# Altium PCB PA_8CH_CTRL.PcbDoc (part 7 of 11) (continued)
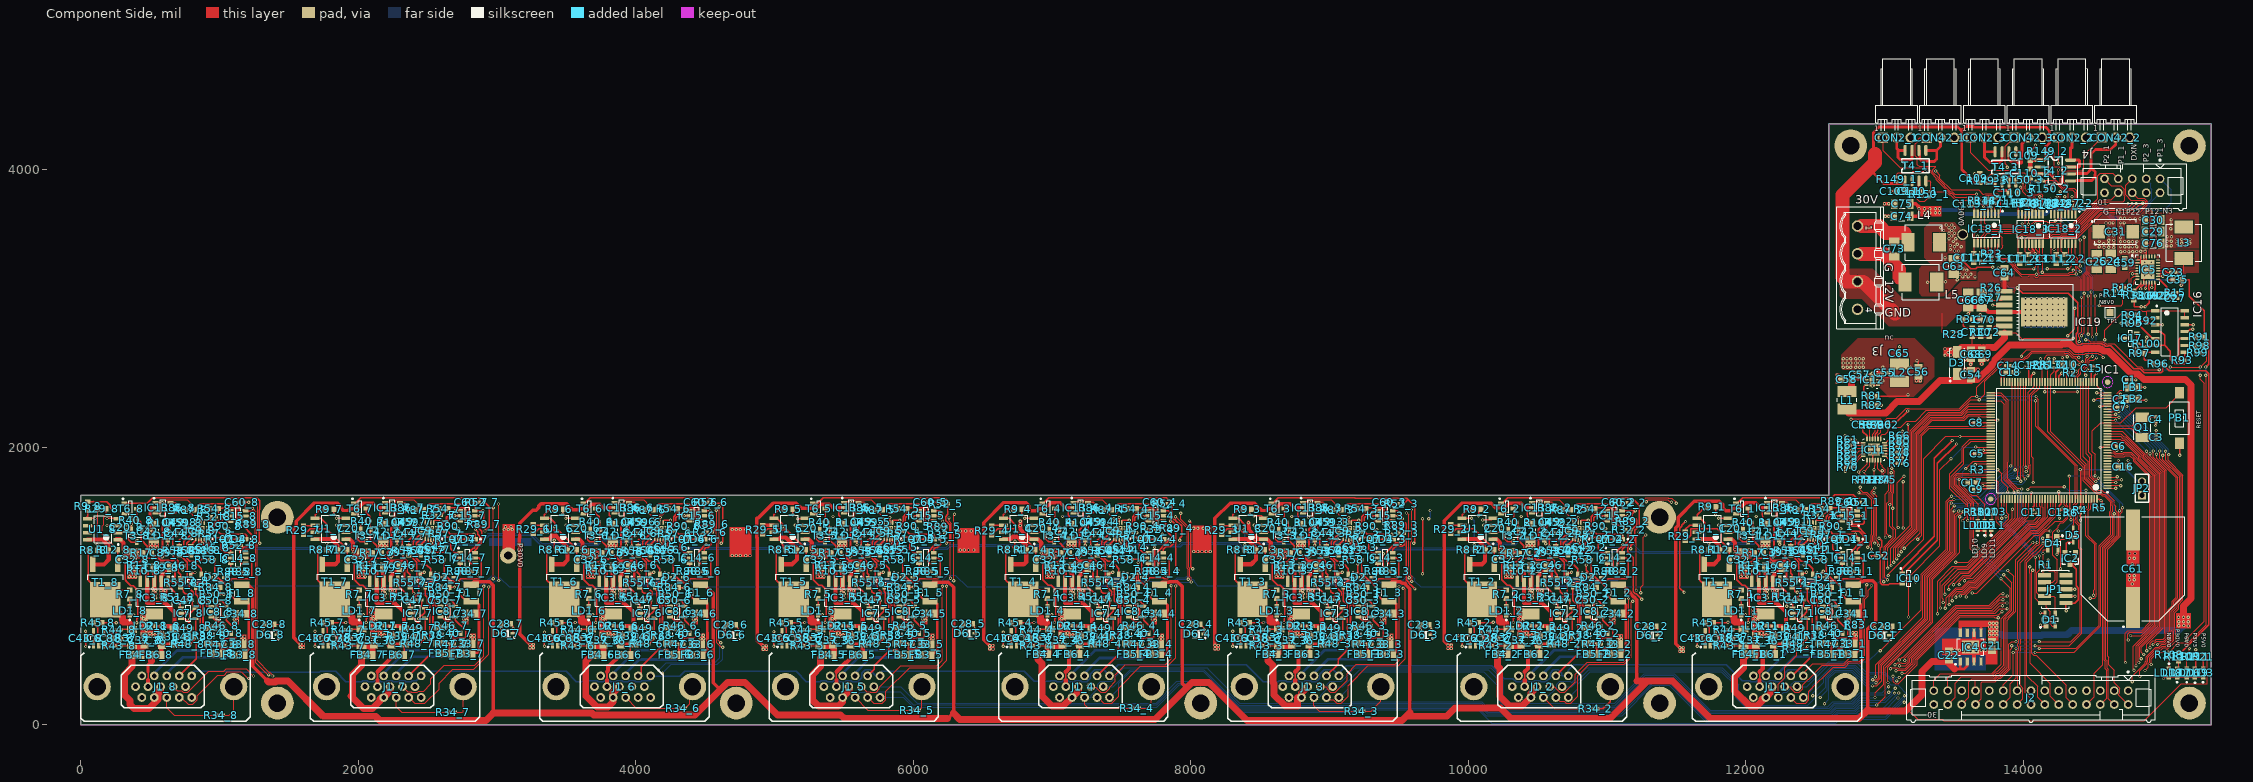
[diagram p0: Component Side view]
## Nets (pads, with @x,y where several pads share a name; then routed paths per layer and width w, separated by ;. In a path a pad name is that pad's centre, name@x,y a point inside that pad or via, vN(x,y) a via of type N, cw(c..) or ccw(c..) an arc to the next point about the centre after c; other vN are vias at no path point) (continued)
  Signal Layer 1 w6: v1(13543,2078.53) 13589.73,2078.53 13989,2477.8 13989,2654.67 v1(13986.19,2657.47)
  Solder Side w6: v1(899,1066) 916,1049 982.8,1049 986.8,1045 1049.57,1045 1056.38,1051.81 1073.62,1051.81 1121.49,1003.94 2163.91,1003.94 2181.16,1003.95 ; 2181.18,1003.94 2231.94,1003.94 2281.15,1053.15 2305.72,1053.15 2321.38,1068.81 2338.62,1068.81 2354.28,1053.15 2400.12,1053.15 2402.92,1055.95 2420.16,1055.95 2422.97,1053.15 2533.15,1053.15 v1(2552,1072) 2570.85,1053.15 2736.22,1053.15 2785.43,1003.94 2878.51,1003.94 2895.38,1020.81 2907.84,1020.81 2948.03,1061 2951.19,1061 2951.19,1061.62 2963.38,1073.81 2980.62,1073.81 2992.81,1061.62 2992.81,1059.19 3001.76,1059.19 3003.38,1060.81 3020.62,1060.81 3087.34,994.09 3807.61,994.09 3817.47,1003.95 3834.71,1003.95 3844.56,994.09 3892.09,994.09 3959,1061 3972.57,1061 3980.38,1068.81 3997.62,1068.81 4013.28,1053.15 4053.66,1053.15 4056.47,1055.95 4073.71,1055.95 4076.51,1053.15 4201.15,1053.15 v1(4209,1061) 4219.86,1050.14 4289.89,1050.14 4293.89,1046.14 4356.66,1046.14 4363.47,1052.95 4380.71,1052.95 4392.9,1040.76 4392.9,1030.33 4429.13,994.09 5461.15,994.09 5471.01,1003.95 5488.25,1003.95 5562.51,1003.94 5632.38,1073.81 5649.62,1073.81 5670.28,1053.15 5707.21,1053.15 5710.01,1055.95 5727.25,1055.95 5730.05,1053.15 5849.15,1053.15 v1(5863,1067) 5879.86,1050.14 5943.43,1050.14 5947.43,1046.14 6010.2,1046.14 6017.01,1052.95 6034.25,1052.95 6046.44,1040.76 6046.44,1030.33 6072.83,1003.94 6171.26,1003.94 6245.13,1077.81 6304.08,1077.81 6387.8,994.09 7114.69,994.09 7124.55,1003.95 7141.79,1003.95 7151.65,994.09 7210.66,994.09 7286.38,1069.81 7303.62,1069.81 7308.43,1065 v1(7513,1065) 7527.86,1050.14 7596.97,1050.14 7600.97,1046.14 7663.74,1046.14 7670.55,1052.95 7687.79,1052.95 7699.98,1040.76 7699.98,1040.17 7706.69,1033.46 7872.49,1033.46 7901.03,1062 7963.57,1062 7972.38,1070.81 7989.62,1070.81 8001.81,1058.62 8001.81,1053.31 8004.31,1050.81 8012.62,1050.81 8024.81,1038.62 8024.81,1030.31 8051.18,1003.94 8778.08,1003.94 8795.34,1003.95 8878.51,1003.94 8941.38,1066.81 8958.62,1066.81 8972.28,1053.15 9014.29,1053.15 9017.1,1055.95 9034.34,1055.95 9037.14,1053.15 9154.15,1053.15 v1(9168,1067) 9184.86,1050.14 9250.52,1050.14 9254.52,1046.14 9317.29,1046.14 9324.1,1052.95 9341.34,1052.95 9380.51,1013.78 9485.35,1013.78 9492.38,1020.81 9508.38,1020.81 9554.19,1066.62 9554.19,1068.62 9566.38,1080.81 9583.62,1080.81 9612.81,1051.62 9612.81,1036.8 9655.51,994.09 10421.78,994.09 10431.64,1003.95 10448.88,1003.95 10505.94,1003.94 10580.81,1078.81 10614.1,1078.81 10639.76,1053.15 10665.72,1053.15 10670.38,1057.81 10687.62,1057.81 10692.28,1053.15 10741.14,1053.15 10750.98,1062.99 10805.33,1062.99 v1(10820.67,1078.33) 10848.86,1050.14 10904.06,1050.14 10908.06,1046.14 10970.83,1046.14 10977.64,1052.95 10994.88,1052.95 11004.53,1043.31 11073.26,1043.31 11122.47,994.09 12114.69,994.09 12124.55,1003.95 12141.79,1003.95 12151.65,994.09 12191.09,994.09 12240.31,1043.31 12255.88,1043.31 12285.38,1072.81 12302.62,1072.81 12314.81,1060.62 12314.81,1054.52 12326.03,1043.31 12348.88,1043.31 12350.86,1045.29 12350.86,1047.72 12363.05,1059.91 12383.04,1059.91 12392.81,1050.14 12490.14,1050.14 v1(12514,1074) 12537.86,1050.14 12596.97,1050.14 12600.97,1046.14 12663.74,1046.14 12670.55,1052.95 12687.79,1052.95 12717.12,1023.62 12856.19,1023.62 12862.38,1029.81 12879.62,1029.81 12885.81,1023.62 12896.19,1023.62 12897.38,1024.81 12914.62,1024.81 12915.81,1023.62 12955.19,1023.62 12984.38,1052.81 12998.38,1052.81 13014,1068.43 13014,1074 ; v1(14576.77,2647.64) 14576.77,2687.01 14586.61,2696.85 v2(14586.61,2775.59)
NetD2_1_2: D2_1.2 IC14_1.3 R88_1.1 | length 133.7
  Component Side w10: D2_1.2@12651.5,1063.35 12674.38,1063.35 12694.8,1083.77 IC14_1.3@12694.8,1165.74
NetD2_2_2: D2_2.2 IC14_2.3 R88_2.1 | length 133.7
  Component Side w10: D2_2.2@10958.58,1063.35 10981.46,1063.35 11001.89,1083.77 IC14_2.3@11001.89,1165.74
NetD2_3_2: D2_3.2 IC14_3.3 R88_3.1 | length 133.7
  Component Side w10: D2_3.2@9305.04,1063.35 9327.92,1063.35 9348.35,1083.77 IC14_3.3@9348.35,1165.74
NetD2_4_2: D2_4.2 IC14_4.3 R88_4.1 | length 133.7
  Component Side w10: D2_4.2@7651.5,1063.35 7674.38,1063.35 7694.8,1083.77 IC14_4.3@7694.8,1165.74
NetD2_5_2: D2_5.2 IC14_5.3 R88_5.1 | length 133.7
  Component Side w10: D2_5.2@5997.95,1063.35 6020.83,1063.35 6041.26,1083.77 IC14_5.3@6041.26,1165.74
NetD2_6_2: D2_6.2 IC14_6.3 R88_6.1 | length 133.7
  Component Side w10: D2_6.2@4344.41,1063.35 4367.29,1063.35 4387.72,1083.77 IC14_6.3@4387.72,1165.74
NetD2_7_2: D2_7.2 IC14_7.3 R88_7.1 | length 133.7
  Component Side w10: D2_7.2@2690.87,1063.35 2713.75,1063.35 2734.17,1083.77 IC14_7.3@2734.17,1165.74
NetD2_8_2: D2_8.2 IC14_8.3 R88_8.1 | length 133.7
  Component Side w10: D2_8.2@1037.32,1062.2 1060.2,1062.2 1080.63,1082.63 IC14_8.3@1080.63,1164.6
NetD5_1: D5.1 IC2.2 | length 122.4
  Component Side w10: IC2.2@14304,1242 14311.02,1249.02 14311.02,1309.06 14318.9,1316.93 D5.1@14360.24,1316.93
NetFB3_1_2: FB3_1.2 J1_1.13 | length 559.5
  Component Side w20: v1(12670,510) FB3_1.2@12709.57,510
  Solder Side w20: J1_1.13@12214.88,353.54 12352.34,491 12651,491 v1(12670,510)
NetFB3_2_2: FB3_2.2 J1_2.13 | length 567.4
  Component Side w10: v1(10985,510) FB3_2.2@11024.57,510
  Solder Side w20: J1_2.13@10521.97,353.54 10659.43,491 10966,491 v1(10985,510)
NetFB3_3_2: FB3_3.2 J1_3.13 | length 585.9
  Component Side w20: v1(9345,510) FB3_3.2@9389.57,510
  Solder Side w20: J1_3.13@8868.43,353.54 8987.88,473 9308,473 v1(9345,510)
NetFB3_4_2: FB3_4.2 J1_4.13 | length 564.5
  Component Side w20: v1(7670,500) 7680,510 FB3_4.2@7714.57,510
  Solder Side w20: J1_4.13@7214.88,353.54 7343.34,482 7652,482 v1(7670,500)
NetFB3_5_2: FB3_5.2 J1_5.13 | length 561
  Component Side w20: v1(6020,495) 6030,505 FB3_5.2@6059.57,505
  Solder Side w20: J1_5.13@5561.34,353.54 5692.8,485 6010,485 v1(6020,495)
NetFB3_6_2: FB3_6.2 J1_6.13 | length 564.5
  Component Side w20: v1(4365,490) 4380,505 FB3_6.2@4409.57,505
  Solder Side w20: J1_6.13@3907.8,353.54 4025.25,471 4346,471 v1(4365,490)
NetFB3_7_2: FB3_7.2 J1_7.13 | length 558
  Component Side w20: v1(2709,491) 2735.57,491 FB3_7.2@2749.57,505
  Solder Side w20: J1_7.13@2254.25,353.54 2391.71,491 v1(2709,491)
NetFB3_8_2: FB3_8.2 J1_8.13 | length 572.1
  Component Side w20: v1(1070,505) FB3_8.2@1109.57,505
  Solder Side w20: J1_8.13@600.71,352.4 735.31,487 1052,487 v1(1070,505)
NetFB4_1_1: FB4_1.1 J1_1.2 J1_1.8 | length 692.7
  Component Side w50: FB4_1.1@12004.57,500 11984.17,479.61 11984.17,409.37 11919.29,344.49 11919.29,244.22 12028.37,135.14 12080.14,135.14 12116.75,171.75 12116.75,187.01 12133.62,187.01 J1_1.2@12144.25,197.64 12189.33,242.72 J1_1.8@12189.33,275.59
NetFB4_2_1: FB4_2.1 J1_2.2 J1_2.8 | length 687.4
  Component Side w50: FB4_2.1@10209.57,510 10209.57,425.43 10226.38,408.62 10226.38,206.69 10297.93,135.14 10387.23,135.14 10449.72,197.64 J1_2.2@10451.34,197.64 10451.34,230.51 J1_2.8@10496.42,275.59
NetFB4_3_1: FB4_3.1 J1_3.2 J1_3.8 | length 702.6
  Component Side w50: FB4_3.1@8554.57,510 8554.57,465.43 8592.52,427.48 8592.52,305.12 8600.38,297.26 8600.38,216.67 8681.91,135.14 8770.29,135.14 8770.29,197.64 J1_3.2@8797.8,197.64 8797.8,230.51 J1_3.8@8842.87,275.59
NetFB4_4_1: FB4_4.1 J1_4.2 J1_4.8 | length 682.8
  Component Side w50: FB4_4.1@6899.57,510 6899.57,470.43 6929.13,440.87 6929.13,206.69 7000.68,135.14 7080.14,135.14 7142.63,197.64 J1_4.2@7144.25,197.64 7189.33,242.72 J1_4.8@7189.33,275.59
NetFB4_5_1: FB4_5.1 J1_5.2 J1_5.8 | length 734.2
  Component Side w50: FB4_5.1@5354.57,505 5330.63,481.06 5330.63,419.21 5275.59,364.17 5275.59,177.17 5317.61,135.14 5459.95,135.14 5490.71,165.91 J1_5.2@5490.71,197.64 5535.79,242.72 J1_5.8@5535.79,275.59
NetFB4_6_1: FB4_6.1 J1_6.2 J1_6.8 | length 764.2
  Component Side w50: FB4_6.1@3677.09,497.95 3639.75,460.61 3639.75,208.68 3720.47,127.95 3799.21,127.95 3837.17,165.91 J1_6.2@3837.17,197.64 3837.17,230.51 ; 3837.17,230.51 3837.17,232.13 3854.74,249.7 3854.74,275.05 3869.68,275.05 3876.23,281.6 J1_6.8@3882.24,275.59 3837.17,230.51
NetFB4_7_1: FB4_7.1 J1_7.2 J1_7.8 | length 742.1
  Component Side w50: FB4_7.1@2029.57,505 2023.54,498.98 2023.54,429.06 1958.66,364.17 1958.66,216.54 1948.82,206.69 2037.4,118.11 2102.48,118.11 2156.12,171.75 2156.12,187.61 2166.14,197.64 J1_7.2@2183.62,197.64 2228.7,242.72 J1_7.8@2228.7,275.59
NetFB4_8_1: FB4_8.1 J1_8.2 J1_8.8 | length 812.9
  Component Side w50: FB4_8.1@364.57,505 370,499.57 370,419.21 314.96,364.17 314.96,216.54 354.33,177.17 354.33,147.64 383.86,118.11 492.13,118.11 557.58,183.57 557.58,224 ; J1_8.2@530.08,196.5 557.58,224 ; J1_8.8@575.16,274.45 575.16,241.58 ; 557.58,224 573.54,239.96 ; 557.58,224 557.58,239.96 573.54,239.96 ; 573.54,239.96 574.02,239.96 575.16,241.1 575.16,241.58 ; 573.54,239.96 575.16,241.58
NetFB5_1_2: FB5_1.2 J1_1.12 | length 522.2
  Component Side w10: v1(12520.17,537.14) 12527.86,537.14 12554.57,510.43 FB5_1.2@12554.57,510 FB5_1.2@12554.57,505
  Solder Side w20: J1_1.12@12124.88,353.54 12308.48,537.14 v1(12520.17,537.14)
NetFB5_2_2: FB5_2.2 J1_2.12 | length 528.9
  Component Side w10: v1(10827.26,537.14) 10852.86,537.14 10864.57,525.43 FB5_2.2@10864.57,510
  Solder Side w20: J1_2.12@10431.97,353.54 10615.57,537.14 v1(10827.26,537.14)
NetFB5_3_2: FB5_3.2 J1_3.12 | length 526.6
  Component Side w20: v1(9173.72,537.14) 9192.86,537.14 9214.57,515.43 FB5_3.2@9214.57,510
  Solder Side w20: J1_3.12@8778.43,353.54 8962.03,537.14 v1(9173.72,537.14)
NetFB5_4_2: FB5_4.2 J1_4.12 | length 517
  Component Side w20: v1(7520.17,537.14) 7527.43,537.14 FB5_4.2@7554.57,510
  Solder Side w20: J1_4.12@7124.88,353.54 7308.48,537.14 v1(7520.17,537.14)
NetFB5_5_2: FB5_5.2 J1_5.12 | length 525.8
  Component Side w30: v1(5866.63,537.14) 5877.86,537.14 5904.57,510.43 FB5_5.2@5904.57,505
  Solder Side w20: J1_5.12@5471.34,353.54 5654.94,537.14 v1(5866.63,537.14)
NetFB5_6_2: FB5_6.2 J1_6.12 | length 524.3
  Component Side w30: v1(4213.09,537.14) 4222.86,537.14 4249.57,510.43 FB5_6.2@4249.57,505
  Solder Side w20: J1_6.12@3817.8,353.54 4001.4,537.14 v1(4213.09,537.14)
NetFB5_7_2: FB5_7.2 J1_7.12 | length 515.5
  Component Side w10: v1(2559.54,537.14) 2572.43,537.14 FB5_7.2@2594.57,515
  Solder Side w20: J1_7.12@2164.25,353.54 2347.85,537.14 v1(2559.54,537.14)
NetFB5_8_2: FB5_8.2 J1_8.12 | length 529.7
  Component Side w20: v1(906,536) 939,536 949.57,525.43 FB5_8.2@949.57,515
  Solder Side w20: J1_8.12@510.71,352.4 694.31,536 v1(906,536)
NetFB6_1_1: FB6_1.1 J1_1.7 | length 251.1
  Component Side w12: 12099.25,382.78 12099.25,324.3 12099.33,324.22
  Component Side w30: 12099.25,382.78 12122.51,406.04 12122.51,492.94 FB6_1.1@12139.57,510 ; J1_1.7@12099.33,275.59 12099.33,324.22
NetFB6_2_1: FB6_2.1 J1_2.7 | length 248.2
  Component Side w12: 10406.34,324.3 10406.34,382.78
  Component Side w30: 10406.34,324.3 10406.42,324.22 J1_2.7@10406.42,275.59 ; 10406.34,382.78 10429.59,406.04 10429.59,500.03 FB6_2.1@10439.57,510
NetFB6_3_1: FB6_3.1 J1_3.7 | length 247.6
  Component Side w12: 8752.8,324.3 8752.8,382.78
  Component Side w30: 8752.8,324.3 8752.87,324.22 J1_3.7@8752.87,275.59 ; 8752.8,382.78 8776.05,406.04 8776.05,501.48 FB6_3.1@8784.57,510
NetFB6_4_1: FB6_4.1 J1_4.7 | length 244.9
  Component Side w12: 7099.25,324.3 7099.25,382.78
  Component Side w30: 7099.25,324.3 7099.33,324.22 J1_4.7@7099.33,275.59 ; 7099.25,382.78 7122.51,406.04 7122.51,507.94 FB6_4.1@7124.57,510
NetFB6_5_1: FB6_5.1 J1_5.7 | length 286.7
  Component Side w12: 5445.71,324.3 5445.71,382.78
  Component Side w30: 5445.71,324.3 5445.79,324.22 J1_5.7@5445.79,275.59 ; 5445.71,382.78 5511.81,448.89 5518.45,448.89 FB6_5.1@5574.57,505
NetFB6_6_1: FB6_6.1 J1_6.7 | length 275.1
  Component Side w10: FB6_6.1@3889.57,504.57 FB6_6.1@3889.57,505
  Component Side w12: 3792.17,324.3 3792.17,382.78
  Component Side w30: 3792.17,324.3 3792.24,324.22 J1_6.7@3792.24,275.59 ; 3792.17,382.78 3799.21,389.83 3799.21,423.23 3808.23,423.23 FB6_6.1@3889.57,504.57
NetFB6_7_1: FB6_7.1 J1_7.7 | length 251.4
  Component Side w12: 2138.62,324.3 2138.62,382.78
  Component Side w30: 2138.62,324.3 2138.7,324.22 J1_7.7@2138.7,275.59 ; 2138.62,382.78 FB6_7.1@2240.54,484.7
NetFB6_8_1: FB6_8.1 J1_8.7 | length 289.5
  Component Side w10: 485.08,323.16 485.08,381.64
  Component Side w12: 485.08,323.16 485.08,274.53 J1_8.7@485.16,274.45
  Component Side w20: 485.08,381.64 485.08,435.08 509.57,459.57
  Component Side w30: 485.08,323.16 485.16,323.08 J1_8.7@485.16,275.59 J1_8.7@485.16,274.45
  Component Side w50: 509.57,459.57 FB6_8.1@509.57,505
NetIC1_40: IC1.40 J2.2 | length 2568.9
  Component Side w6: IC1.40@14471.43,2470.26 14471.43,1964.57 14493,1943 14493,1790.57 14508.38,1775.19 14539.19,1775.19 v1(14542,1778) ; v1(14715,1565) 14707.72,1557.72 14713.81,1551.62 14713.81,1534.38 14699.81,1520.38 14699.81,1357.96 14607,1265.15 14607,493.09 14615,485.09 14615,435 14655,395 14655,304.24 14695.62,263.62 14695.62,230.07 14683.75,218.21 J2.2@14755.12,146.85
  Solder Side w6: v1(14542,1778) 14542,1764.4 14715,1591.4 v1(14715,1565)
NetIC1_41: IC1.41 J2.4 | length 2502.2
  Component Side w6: IC1.41@14451.75,2470.26 14451.75,1952.25 14478.81,1925.19 14478.81,1787.79 14512.6,1754 v1(14521,1754) ; J2.4@14655.12,146.85 14612,189.97 14612,400 14603,409 14603,461.06 14595,469.06 14595,1270.12 14687.81,1362.93 14687.81,1537.81 v1(14693,1543)
  Solder Side w6: v1(14521,1754) 14529.19,1745.81 14543.62,1745.81 14693,1596.43 v1(14693,1543)
NetIC1_42: IC1.42 J2.8 | length 2507
  Component Side w6: IC1.42@14432.06,2470.26 14432.06,1931.94 14466.81,1897.19 14466.81,1778.76 14520.57,1725 v1(14535,1725) ; J2.8@14455.12,146.85 14510,201.73 14510,371 14571,432 14571,1280.06 14655,1364.06 v1(14655,1522)
  Solder Side w6: v1(14535,1725) 14655,1605 v1(14655,1522)
NetIC1_43: IC1.43 J2.6 | length 2519.7
  Component Side w6: IC1.43@14412.38,2470.26 14412.38,1919.62 14454.81,1877.19 14454.81,1773.79 14538.33,1690.27 14563.67,1690.27 14578.56,1675.38 14592.68,1675.38 14654,1614.06 14654,1586.33 14664.81,1575.52 14664.81,1541.76 14675.81,1530.76 14675.81,1367.9 14583,1275.09 14583,464.09 14591,456.09 14591,404.03 14600,395.03 14600,191.73 J2.6@14555.12,146.85
NetIC1_48: IC1.48 R2.2 | length 70
  Component Side w6: IC1.48@14313.95,2470.26 14313.95,2532.46 R2.2@14319.5,2538
NetIC1_73: IC1.73 J2.14 | length 2590.1
  Component Side w6: IC1.73@13764.74,2393.49 13838.51,2393.49 13891,2341 13891,1896 13888.19,1893.19 13888.19,1772.81 13956,1705 13984,1705 v1(13989,1700) ; v1(14140,1346) 14140,1341.43 14162.81,1318.62 14162.81,1301.38 14088.24,1226.81 14078.38,1226.81 14025.19,1173.62 14025.19,354.81 14103,277 14103,198.97 J2.14@14155.12,146.85
  Solder Side w6: v1(13989,1700) 13989,1497 v1(14140,1346)
NetIC1_74: IC1.74 J2.16 | length 2497.6
  Component Side w6: IC1.74@13764.74,2373.8 13836.2,2373.8 13876.19,2333.81 13876.19,1767.84 13943,1701.03 13943,1700 13959,1684 v1(13962,1684) ; J2.16@14055.12,146.85 14055.12,189.58 14013.19,231.51 14013.19,1181.19 v1(14142,1310)
  Solder Side w6: v1(13962,1684) 13976,1670 13976,1480.57 14142,1314.57 v1(14142,1310)
NetIC1_76: IC1.76 J2.17 | length 2336.7
  Component Side w6: IC1.76@13764.74,2334.43 13836.57,2334.43 13861,2310 13861,1765 13932,1694 v1@13932,1678 ; J2.17@13955.12,246.85 13961,252.73 13961,535.9 13967.66,542.56 13967.66,559.8 13961,566.46 13961,585.14 13967.63,591.77 13967.63,609.01 13961,615.65 13961,1176 v1(14099,1314)
  Solder Side w6: v1(13932,1676) 13964,1644 13964,1475.6 14095,1344.6 14095,1318 v1(14099,1314)
NetIC1_90: IC1.90 J2.10 | length 2611.7
  Component Side w6: v1(13562,1473) 13587.81,1498.81 13587.81,1585.19 13470.19,1702.81 13470.19,1715.53 13470.05,1715.53 13470,1715.58 13470,1810 13560,1900 13560,2005 13613.84,2058.84 IC1.90@13764.74,2058.84 ; v1(14067,1114) 14061,1108 14061,515.87 14076.03,500.84 14094.16,500.84 14308,287 14308,193.97 J2.10@14355.12,146.85
  Signal Layer 1 w6: v1(13562,1473) 13921,1114 v1(14067,1114)
NetIC1_91: IC1.91 J2.12 | length 2498.3
  Component Side w6: v1(13599,1473) 13600.7,1473 13600.7,1597.02 13482.19,1715.53 13482.19,1792.53 13572,1882.34 13572,1992 13623,2043 13760.9,2043 IC1.91@13764.74,2039.16 ; v1(14046,1139) 14046,1093 14048,1091 14048,443 14195.62,295.38 14195.62,206.35 J2.12@14255.12,146.85
  Signal Layer 1 w6: v1(13599,1473) 13599,1452.97 13912.97,1139 v1(14046,1139)
NetIC1_101: IC1.101 R3.1 | length 78.4
  Component Side w6: R3.1@13688.5,1837 13693.81,1842.31 IC1.101@13764.74,1842.31
NetIC1_102: IC1.102 J2.29 | length 2448.1
  Component Side w6: J2.29@13355.12,246.85 13355.12,323.12 13401.54,369.54 13771.54,369.54 13839.81,437.81 13839.81,764.15 13890.85,815.19 13891.62,815.19 13905.81,829.38 13905.81,985.92 v1(13838.58,1053.15) ; v1(13641,1246) 13628.81,1258.19 13628.38,1258.19 13616.19,1270.38 13616.19,1458.76 13619.81,1462.38 13619.81,1594.88 13494.19,1720.5 13494.19,1787.56 13520.44,1813.81 13557.56,1813.81 13558.18,1813.19 13701.04,1813.19 13710.48,1822.62 IC1.102@13764.74,1822.62
  Solder Side w6: v1(13641,1246) 13833.85,1053.15 v1(13838.58,1053.15)
NetIC1_103: IC1.103 J2.27 | length 2363.2
  Component Side w6: J2.27@13455.12,246.85 13455.12,339.12 13473.54,357.54 13776.51,357.54 13801.97,383 13811,383 13858.27,430.27 13858.27,765.64 13895.82,803.19 13896.59,803.19 13917.81,824.41 13917.81,1023.13 v1(13858.27,1082.68) ; v1(13637,1279) 13632.25,1283.75 13632.25,1599.41 13506.19,1725.47 13506.19,1782.59 13525.41,1801.81 13552.59,1801.81 13553.21,1801.19 13762.99,1801.19 IC1.103@13764.74,1802.94
  Solder Side w6: v1(13637,1279) 13637.43,1279 13833.75,1082.68 v1(13858.27,1082.68)
NetIC1_104: IC1.104 J2.28 | length 2427.2
  Component Side w6: J2.28@13455.12,146.85 13508,199.73 13508,301 13552.54,345.54 13781.48,345.54 13806.94,371 13822,371 13870.27,419.27 13870.27,760.67 13900.79,791.19 13901.56,791.19 13929.81,819.44 13929.81,1070.16 v1(13887.77,1112.2) ; v1(13674,1272) 13644.25,1301.75 13644.25,1604.38 13518.19,1730.44 13518.19,1777.62 13530.38,1789.81 13547.62,1789.81 13553.62,1783.81 13764.18,1783.81 IC1.104@13764.74,1783.25
  Solder Side w6: v1(13674,1272) 13833.8,1112.2 v1(13887.77,1112.2)
NetIC1_138: IC1.138 JP2.2 R4.1 | length 734.7
  Component Side w10: R4.1@14409.47,1564.73 14412.38,1567.63 IC1.138@14412.38,1627.74 14412.38,1837.62 v1(14410,1840)
  Solder Side w10: v1(14410,1840) 14740,1840 JP2.2@14830,1750
NetIC1_139: IC1.139 J2.18 | length 1794.6
  Component Side w6: J2.18@13955.12,146.85 13995.62,187.34 13995.62,265.24 13976,284.85 13976,533.93 13979.66,537.59 13979.66,564.77 13976,568.43 13976,583.17 13979.63,586.8 13979.63,613.98 13976,617.62 13976,1168 14101.19,1293.19 14107.62,1293.19 14119.81,1305.38 14119.81,1336.76 14119.19,1337.38 14119.19,1354.62 14162.2,1397.63 v1(14192.88,1397.63) ; IC1.139@14432.06,1627.74 14432.06,1585.94 v1(14448,1570)
  Signal Layer 1 w6: v1(14192.88,1397.63) v1(14251.94,1397.63)
  Solder Side w6: v1(14251.94,1397.63) 14291.07,1397.63 14391.19,1497.76 14391.19,1513.62 14403.38,1525.81 14404.92,1525.81 14448,1568.89 v1(14448,1570)
NetIC1_143: IC1.143 R5.2 | length 81
  Component Side w6: IC1.143@14510.8,1627.74 14510.8,1569.2 14515,1565 R5.2@14531.5,1565
NetIC3_1_1: IC3_1.1 IC14_1.5 R51_1.2 | length 917.4
  Component Side w10: R51_1.2@12310.17,940.65 12244.09,1006.72 IC3_1.1@12244.09,1035.67 12265.17,1035.67 12273.06,1027.78 12358.41,1027.78 12369.73,1039.1 v1(12371.67,1039.1) ; v1(12679.17,1032.14) 12700.86,1053.83 12830.78,1053.83 12846.49,1069.53 12846.49,1184.83 12828.17,1203.14 IC14_1.5@12801.32,1203.14
  Solder Side w10: v1@12372.17,1036.14 12591.17,1036.14 12595.17,1032.14 v1(12679.17,1032.14)
NetIC3_1_4: IC3_1.4 R10_1.2 R11_1.1 R39_1.2 R49_1.2 | length 737.7
  Component Side w20: R39_1.2@12289.76,694.13 12292.77,697.14 R49_1.2@12378.67,697.14
  Component Side w30: R10_1.2@12086.81,1110.47 12092.52,1104.76 12092.52,1037.24 IC3_1.4@12094.09,1035.67 12094.09,879.14 12223.17,879.14 12289.76,812.55 R39_1.2@12289.76,694.13 12272.05,711.85 R11_1.1@12225.59,711.85
NetIC3_1_5: IC3_1.5 R10_1.1 R13_1.2 | length 116.1
  Component Side w10: IC3_1.5@12044.09,1035.67 12044.09,1145.12 R13_1.2@12048.82,1149.84
NetIC3_2_1: IC3_2.1 IC14_2.5 R51_2.2 | length 916.8
  Component Side w10: R51_2.2@10617.26,940.65 10551.18,1006.72 IC3_2.1@10551.18,1035.67 10572.26,1035.67 10580.15,1027.78 10665.5,1027.78 10674.72,1037 v1(10679,1037) ; v1(10986.26,1032.14) 11007.94,1053.83 11137.87,1053.83 11153.57,1069.53 11153.57,1184.83 11135.26,1203.14 IC14_2.5@11108.41,1203.14
  Solder Side w10: v1@10679.26,1036.14 10898.26,1036.14 10902.26,1032.14 v1(10986.26,1032.14)
NetIC3_2_4: IC3_2.4 R10_2.2 R11_2.1 R39_2.2 R49_2.2 | length 737.7
  Component Side w20: R39_2.2@10596.85,694.13 10599.86,697.14 R49_2.2@10685.76,697.14
  Component Side w30: R10_2.2@10393.9,1110.47 10399.61,1104.76 10399.61,1037.24 IC3_2.4@10401.18,1035.67 10401.18,879.14 10530.26,879.14 10596.85,812.55 R39_2.2@10596.85,694.13 10579.13,711.85 R11_2.1@10532.68,711.85
NetIC3_2_5: IC3_2.5 R10_2.1 R13_2.2 | length 116.1
  Component Side w10: IC3_2.5@10351.18,1035.67 10351.18,1145.12 R13_2.2@10355.91,1149.84
NetIC3_3_1: IC3_3.1 IC14_3.5 R51_3.2 | length 920.1
  Component Side w10: R51_3.2@8963.72,940.65 8897.64,1006.72 IC3_3.1@8897.64,1035.67 8918.72,1035.67 8931.2,1023.19 9007.37,1023.19 9019.32,1035.14 v1(9025.72,1035.14) ; v1(9332.72,1032.14) 9354.4,1053.83 9484.33,1053.83 9500.03,1069.53 9500.03,1184.83 9481.72,1203.14 IC14_3.5@9454.87,1203.14
  Solder Side w10: v1@9025.72,1036.14 9244.72,1036.14 9248.72,1032.14 v1(9332.72,1032.14)
NetIC3_3_4: IC3_3.4 R10_3.2 R11_3.1 R39_3.2 R49_3.2 | length 737.7
  Component Side w20: R39_3.2@8943.31,694.13 8946.31,697.14 R49_3.2@9032.21,697.14
  Component Side w30: R10_3.2@8740.35,1110.47 8746.06,1104.76 8746.06,1037.24 IC3_3.4@8747.64,1035.67 8747.64,879.14 8876.72,879.14 8943.31,812.55 R39_3.2@8943.31,694.13 8925.59,711.85 R11_3.1@8879.13,711.85
NetIC3_3_5: IC3_3.5 R10_3.1 R13_3.2 | length 116.1
  Component Side w10: IC3_3.5@8697.64,1035.67 8697.64,1145.12 R13_3.2@8702.36,1149.84
NetIC3_4_1: IC3_4.1 IC14_4.5 R51_4.2 | length 923.2
  Component Side w10: R51_4.2@7310.17,940.65 7244.09,1006.72 IC3_4.1@7244.09,1035.67 7265.17,1035.67 7274.65,1026.19 7356.82,1026.19 7365.78,1035.14 v1(7372.17,1035.14) ; v1(7679.17,1032.14) 7679.17,1034.14 7704.17,1059.14 7803.26,1059.14 7808.57,1053.83 7830.78,1053.83 7846.49,1069.53 7846.49,1184.83 7828.17,1203.14 IC14_4.5@7801.32,1203.14
  Solder Side w10: v1@7372.17,1036.14 7591.17,1036.14 7595.17,1032.14 v1(7679.17,1032.14)
NetIC3_4_4: IC3_4.4 R10_4.2 R11_4.1 R39_4.2 R49_4.2 | length 737.7
  Component Side w20: R39_4.2@7289.76,694.13 7292.77,697.14 R49_4.2@7378.67,697.14
  Component Side w30: R10_4.2@7086.81,1110.47 7092.52,1104.76 7092.52,1037.24 IC3_4.4@7094.09,1035.67 7094.09,879.14 7223.17,879.14 7289.76,812.55 R39_4.2@7289.76,694.13 7272.05,711.85 R11_4.1@7225.59,711.85
NetIC3_4_5: IC3_4.5 R10_4.1 R13_4.2 | length 116.1
  Component Side w10: IC3_4.5@7044.09,1035.67 7044.09,1145.12 R13_4.2@7048.82,1149.84
NetIC3_5_1: IC3_5.1 IC14_5.5 R51_5.2 | length 916.3
  Component Side w10: R51_5.2@5656.63,940.65 5590.55,1006.72 IC3_5.1@5590.55,1035.67 5611.63,1035.67 5619.52,1027.78 5704.87,1027.78 5712.23,1035.14 v1(5718.63,1035.14) ; v1(6025.63,1032.14) 6047.31,1053.83 6177.24,1053.83 6192.94,1069.53 6192.94,1184.83 6174.63,1203.14 IC14_5.5@6147.78,1203.14
  Solder Side w10: v1@5718.63,1036.14 5937.63,1036.14 5941.63,1032.14 v1(6025.63,1032.14)
NetIC3_5_4: IC3_5.4 R10_5.2 R11_5.1 R39_5.2 R49_5.2 | length 737.7
  Component Side w20: R39_5.2@5636.22,694.13 5639.23,697.14 R49_5.2@5725.13,697.14
  Component Side w30: R10_5.2@5433.27,1110.47 5438.98,1104.76 5438.98,1037.24 IC3_5.4@5440.55,1035.67 5440.55,879.14 5569.63,879.14 5636.22,812.55 R39_5.2@5636.22,694.13 5618.5,711.85 R11_5.1@5572.05,711.85
NetIC3_5_5: IC3_5.5 R10_5.1 R13_5.2 | length 116.1
  Component Side w10: IC3_5.5@5390.55,1035.67 5390.55,1145.12 R13_5.2@5395.28,1149.84
NetIC3_6_1: IC3_6.1 IC14_6.5 R51_6.2 | length 918.4
  Component Side w10: R51_6.2@4003.09,940.65 3937.01,1006.72 IC3_6.1@3937.01,1035.67 3958.09,1035.67 3968.57,1025.19 4048.74,1025.19 4058.69,1035.14 v1(4065.09,1035.14) ; v1(4372.09,1032.14) 4393.77,1053.83 4523.7,1053.83 4539.4,1069.53 4539.4,1184.83 4521.09,1203.14 IC14_6.5@4494.24,1203.14
  Solder Side w10: v1@4065.09,1036.14 4284.09,1036.14 4288.09,1032.14 v1(4372.09,1032.14)
NetIC3_6_4: IC3_6.4 R10_6.2 R11_6.1 R39_6.2 R49_6.2 | length 737.7
  Component Side w20: R39_6.2@3982.68,694.13 3985.68,697.14 R49_6.2@4071.58,697.14
  Component Side w30: R10_6.2@3779.72,1110.47 3785.43,1104.76 3785.43,1037.24 IC3_6.4@3787.01,1035.67 3787.01,879.14 3916.09,879.14 3982.68,812.55 R39_6.2@3982.68,694.13 3964.96,711.85 R11_6.1@3918.5,711.85
NetIC3_6_5: IC3_6.5 R10_6.1 R13_6.2 | length 116.1
  Component Side w10: IC3_6.5@3737.01,1035.67 3737.01,1145.12 R13_6.2@3741.73,1149.84